# Altium PCB STM32.PcbDoc (part 2 of 2)
Units mil, origin at the board's own origin, x right, y up, seen from the top; angles counter-clockwise.
Board outline 4960.63 x 3937.01 mil, 2 copper layers (Top Layer, Bottom Layer); 105 components, 116 nets, 528 pads, 83 vias.
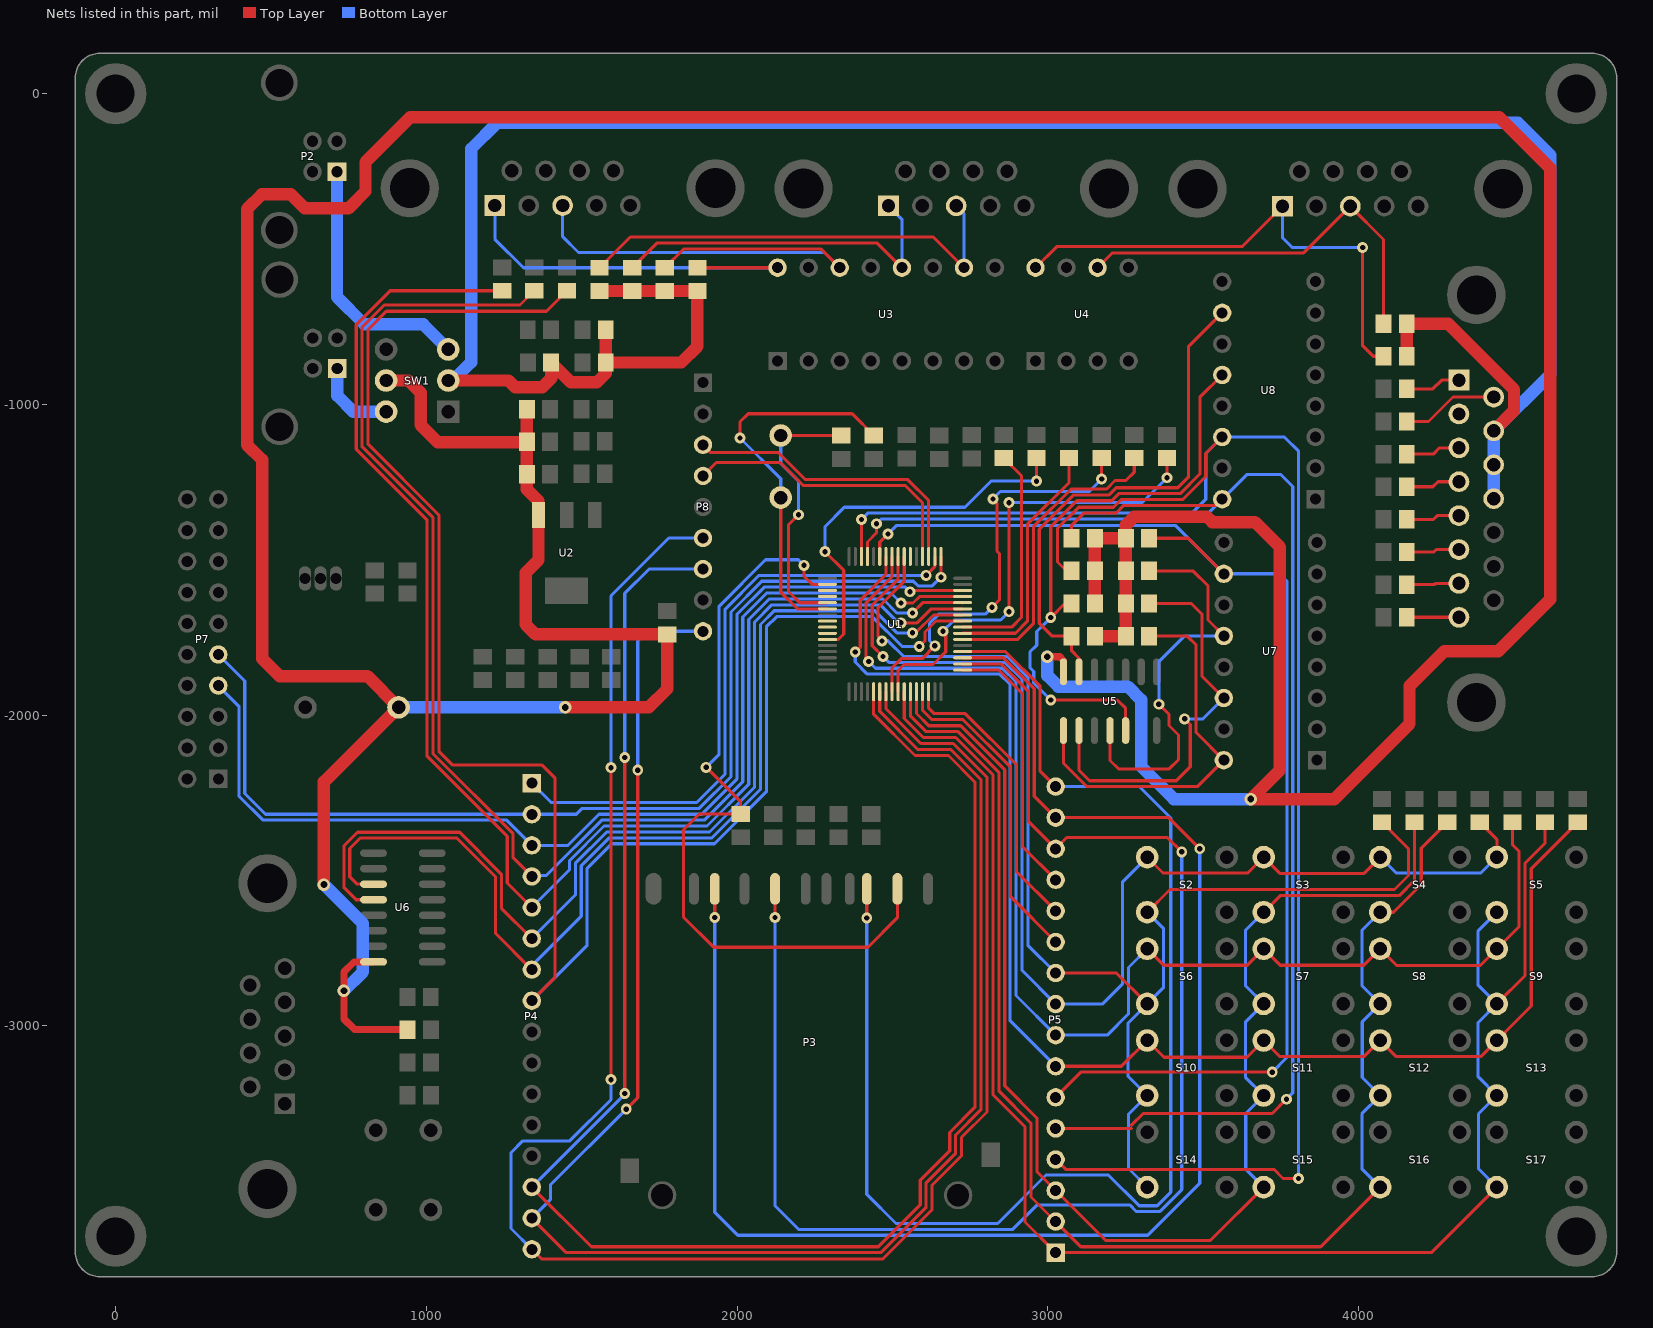
[diagram p2: the nets of this part, all layers, seen from the top]

## Via types
v1: diameter 35, hole 17, Top Layer to Bottom Layer, 52 vias
v2: diameter 40, hole 22, Top Layer to Bottom Layer, 31 vias

## Nets (pads, with @x,y where several pads share a name; then routed paths per layer and width w, separated by ;. In a path a pad name is that pad's centre, name@x,y a point inside that pad or via, vN(x,y) a via of type N, cw(c..) or ccw(c..) an arc to the next point about the centre after c; other vN are vias at no path point) (continued)
PA5: P4.14 P8.7 U1.21 | length 5627.2
  Top Layer w10: P4.14@1339.26,-3519.08 1531.26,-3711.08 2454.26,-3711.08 2589.26,-3576.08 2589.26,-3497.08 2684.26,-3402.08 2684.26,-3343.34 2765.26,-3262.34 2765.26,-2215.08 2680.26,-2130.08 2572.26,-2130.08 2439.37,-1997.18 U1.21@2439.37,-1924.6 ; v1(1638.26,-3218.08) v1(1638.26,-2136.58)
  Bottom Layer w10: P4.14@1339.26,-3519.08 1638.26,-3220.08 v1(1638.26,-3218.08) ; v1(1638.26,-2136.58) 1638.26,-1608.08 1716.26,-1530.08 P8.7@1890.26,-1530.08
PA6: P4.15 P8.9 U1.22 | length 5526.7
  Top Layer w10: P4.15@1339.26,-3619.08 1450.26,-3730.08 2462.26,-3730.08 2608.26,-3584.08 2608.26,-3505.08 2703.26,-3410.08 2703.26,-3351.21 2784.26,-3270.21 2784.26,-2207.08 2688.26,-2111.08 2582.26,-2111.08 2459.05,-1987.87 U1.22@2459.05,-1924.6 ; v1(1643.26,-3268.08) 1680.26,-3231.08 v1(1680.26,-2177.08)
  Bottom Layer w10: P4.15@1339.26,-3619.08 1399.04,-3559.3 1399.04,-3512.3 v1(1643.26,-3268.08) ; v1(1680.26,-2177.08) 1680.26,-1761.08 1711.26,-1730.08 P8.9@1890.26,-1730.08
PA7: P4.16 P8.6 U1.23 | length 6028.5
  Top Layer w10: P4.16@1339.26,-3719.08 1370.18,-3750 2469.34,-3750 2627.26,-3592.08 2627.26,-3513.08 2722.26,-3418.08 2722.26,-3359.08 2804.26,-3277.08 2804.26,-2200.08 2695.26,-2091.08 2591.26,-2091.08 2478.74,-1978.55 U1.23@2478.74,-1924.6 ; v1(1594.08,-3173.08) v1(1594.08,-2169)
  Bottom Layer w10: P4.16@1339.26,-3719.08 1272.26,-3652.08 1272.26,-3408.08 1310.26,-3370.08 1461.39,-3370.08 1594.08,-3237.39 v1(1594.08,-3173.08) ; v1(1594.08,-2169) 1594.08,-1616.26 1780.26,-1430.08 P8.6@1890.26,-1430.08
PA8: P4.8 R5.1 U1.41 | length 5744.4
  Top Layer w10: P4.8@1339.26,-2919.08 1413.26,-2845.08 1413.26,-2202.08 1372.26,-2161.08 1085.26,-2161.08 1039.93,-2115.75 1039.93,-1355.75 812.26,-1128.08 812.26,-759.08 871.26,-700.08 1386.26,-700.08 R5.1@1452.26,-634.08 ; v1(2586.26,-1779.08) 2604.73,-1760.61 2604.73,-1732.61 2640.11,-1697.24 U1.41@2725.78,-1697.24
  Bottom Layer w10: P4.8@1339.26,-2919.08 1517.26,-2741.08 1517.26,-2493.08 1596.26,-2414.08 1927.26,-2414.08 2094.26,-2247.08 2094.26,-1716.08 2127.26,-1683.08 2435.26,-1683.08 2531.26,-1779.08 v1(2586.26,-1779.08)
PA9: P4.7 U1.42 U6.11 | length 3387.6
  Top Layer w10: U6.11@829.78,-2544.08 777.26,-2544.08 753.26,-2520.08 753.26,-2429.08 786.26,-2396.08 1098.26,-2396.08 1222.26,-2520.08 1222.26,-2702.08 P4.7@1339.26,-2819.08 ; v1(2564.26,-1735.08) 2574.26,-1735.08 2631.79,-1677.55 U1.42@2725.78,-1677.55
  Bottom Layer w10: P4.7@1332.26,-2813.08 1498.26,-2647.08 1498.26,-2485.08 1588.26,-2395.08 1919.26,-2395.08 2075.26,-2239.08 2075.26,-1708.08 2119.26,-1664.08 2443.26,-1664.08 2514.26,-1735.08 v1(2564.26,-1735.08)
PA10: P4.6 U1.43 U6.12 | length 3319.2
  Top Layer w10: U6.12@829.78,-2594.08 774.26,-2594.08 734.26,-2554.08 734.26,-2421.08 778.26,-2377.08 1106.76,-2377.08 1241.26,-2511.58 1241.26,-2621.08 P4.6@1339.26,-2719.08 ; v1(2527.26,-1703.08) 2579.26,-1703.08 2624.48,-1657.87 U1.43@2725.78,-1657.87
  Bottom Layer w10: P4.6@1339.26,-2719.08 1479.26,-2579.08 1479.26,-2476.89 1580.08,-2376.08 1911.26,-2376.08 2056.26,-2231.08 2056.26,-1700.08 2111.26,-1645.08 2460.26,-1645.08 2518.26,-1703.08 v1(2527.26,-1703.08)
PA11: P4.5 R2.1 U1.44 | length 4783.6
  Top Layer w10: R2.1@1244.26,-634.08 883.26,-634.08 774.26,-743.08 774.26,-1144.08 1001.26,-1371.08 1001.26,-2131.26 1260.26,-2390.26 1260.26,-2540.08 P4.5@1339.26,-2619.08 ; v1(2564.26,-1671.08) 2597.26,-1638.08 2725.68,-1638.08 U1.44@2725.78,-1638.18
  Bottom Layer w10: P4.5@1339.26,-2619.08 1460.26,-2498.08 1460.26,-2468.58 1571.76,-2357.08 1903.01,-2357.08 2037.26,-2222.83 2037.26,-1692.08 2103.26,-1626.08 2469.26,-1626.08 2514.26,-1671.08 v1(2564.26,-1671.08)
PA12: P4.4 R3.1 U1.45 | length 4692.3
  Top Layer w10: P4.4@1339.26,-2519.08 1279.26,-2459.08 1279.26,-2382.08 1020.76,-2123.58 1020.76,-1363.58 793.26,-1136.08 793.26,-751.08 864.26,-680.08 1301.26,-680.08 R3.1@1347.26,-634.08 ; v1(2527.26,-1639.08) 2566.26,-1639.08 2587.26,-1618.08 2725.37,-1618.08 U1.45@2725.78,-1618.5
  Bottom Layer w10: P4.4@1339.26,-2516.21 1385.63,-2516.21 1563.76,-2338.08 1894.26,-2338.08 2018.26,-2214.08 2018.26,-1684.08 2095.26,-1607.08 2495.26,-1607.08 v1(2527.26,-1639.08)
PA13: P4.3 P7.7 U1.46 | length 3440.4
  Top Layer w10: v1(2556.26,-1603.08) 2560.53,-1598.81 U1.46@2725.78,-1598.81
  Bottom Layer w10: P7.7@330.26,-1905.08 396.26,-1971.08 396.26,-2260.08 474.33,-2338.14 1258.33,-2338.14 P4.3@1339.26,-2419.08 1455.65,-2419.08 1555.65,-2319.08 1886.26,-2319.08 1999.26,-2206.08 1999.26,-1676.08 2087.26,-1588.08 2541.26,-1588.08 v1(2556.26,-1603.08)
PA14: P4.2 P7.9 U1.49 | length 3456.4
  Top Layer w10: v1(2655.9,-1556.44) U1.49@2655.9,-1489.56
  Bottom Layer w10: P7.9@330.26,-1805.08 415.26,-1890.08 415.26,-2252.08 482.26,-2319.08 1482.26,-2319.08 1501.26,-2300.08 1878.26,-2300.08 1980.26,-2198.08 1980.26,-1667.89 2079.08,-1569.08 2567.26,-1569.08 2582.26,-1584.08 2628.26,-1584.08 v1(2655.9,-1556.44)
PA15: P4.1 U1.50 | length 1980.3
  Top Layer w10: v1(2608.26,-1550.08) 2636.22,-1522.13 U1.50@2636.22,-1489.56
  Bottom Layer w10: P4.1@1339.26,-2219.08 1401.26,-2281.08 1869.7,-2281.08 1961.26,-2189.52 1961.26,-1659.08 2070.26,-1550.08 v1(2608.26,-1550.08)
PB0: P5.1 R38.2 S5.2 S9.2 S13.2 S17.2 U1.26 | length 5257.2
  Top Layer w10: U1.26@2537.79,-1924.6 2537.79,-2010.61 2599.26,-2072.08 2703.26,-2072.08 2823.26,-2192.08 2823.26,-3222.19 2926.26,-3325.19 2926.26,-3631.08 P5.1@3025.26,-3730.08 4233.98,-3730.08 S17.2@4444.8,-3519.25 ; S9.2@4444.8,-2929.25 4535.8,-2838.25 4535.8,-2476.68 4600.26,-2412.22 R38.2@4600.26,-2344.88
  Bottom Layer w10: S17.2@4444.8,-3519.25 4385.8,-3460.25 4385.8,-3283.25 S13.2@4444.8,-3224.25 4384.8,-3164.25 4384.8,-2989.25 S9.2@4444.8,-2929.25 4384.8,-2869.25 4384.8,-2694.25 S5.2@4444.8,-2634.25
PB1: P5.2 R36.2 S4.2 S8.2 S12.2 S16.2 U1.27 | length 4551.6
  Top Layer w10: U1.27@2557.48,-1924.6 2557.48,-2002.29 2608.26,-2053.08 2711.26,-2053.08 2842.26,-2184.08 2842.26,-3209.26 2946,-3313 2946,-3550.82 3106.26,-3711.08 3877.98,-3711.08 S16.2@4069.8,-3519.25 ; S4.2@4069.8,-2634.25 4112.64,-2634.25 4201.8,-2545.09 4201.8,-2428.34 R36.2@4285.26,-2344.88
  Bottom Layer w10: S16.2@4069.8,-3519.25 4010.8,-3460.25 4010.8,-3283.25 S12.2@4069.8,-3224.25 4011.8,-3166.25 4011.8,-2987.25 S8.2@4069.8,-2929.25 4010.8,-2870.25 4010.8,-2693.25 S4.2@4069.8,-2634.25
PB2: P5.3 R34.2 S3.2 S7.2 S11.2 S15.2 U1.28 | length 4404.3
  Top Layer w10: U1.28@2577.16,-1924.6 2577.16,-1994.98 2616.26,-2034.08 2719.26,-2034.08 2861.26,-2176.08 2861.26,-3193.26 2965,-3297 2965,-3469.82 3186.26,-3691.08 3522.98,-3691.08 S15.2@3694.8,-3519.25 ; S3.2@3694.8,-2634.25 3747.97,-2581.09 4130.8,-2581.09 4180.26,-2531.63 R34.2@4180.26,-2344.88
  Bottom Layer w10: S15.2@3694.8,-3519.25 3636.8,-3461.25 3636.8,-3282.25 S11.2@3694.8,-3224.25 3635.8,-3165.25 3635.8,-2988.25 S7.2@3694.8,-2929.25 3635.8,-2870.25 3635.8,-2693.25 S3.2@3694.8,-2634.25
PB3: P5.10 R32.2 S2.2 S6.2 S10.2 S14.2 U1.55 | length 4279.8
  Top Layer w10: v1@2467.26,-1760.08 2453.77,-1746.58 2453.77,-1653.58 2537.79,-1569.55 U1.55@2537.79,-1489.56 ; P5.10@3025.26,-2830.08 3220.63,-2830.08 S6.2@3319.8,-2929.25 ; S2.2@3319.8,-2634.25 3392.97,-2561.09 4115.7,-2561.09 4160.8,-2515.98 4160.8,-2430.42 R32.2@4075.26,-2344.88
  Bottom Layer w10: v1@2467.26,-1760.08 2485.26,-1760.08 2536.26,-1811.08 2869.26,-1811.08 2935.76,-1877.58 2935.76,-2740.58 P5.10@3025.26,-2830.08 ; S14.2@3319.8,-3519.25 3259.8,-3459.25 3259.8,-3284.25 S10.2@3319.8,-3224.25 3257.8,-3162.25 3257.8,-2991.25 3372.8,-2876.25 3372.8,-2687.25 S2.2@3319.8,-2634.25
  other v1: 2466.26,-1761.08
PB4: P5.9 R37.2 S2.1 S3.1 S4.1 S5.1 U1.56 | length 4018.3
  Top Layer w10: v1(2469.26,-1811.08) 2434.76,-1776.58 2434.76,-1645.58 2518.11,-1562.24 U1.56@2518.11,-1489.56 ; S2.1@3319.8,-2457.09 3370.8,-2508.09 3643.8,-2508.09 S3.1@3694.8,-2457.09 3746.8,-2509.09 4017.8,-2509.09 S4.1@4069.8,-2457.09 ; R37.2@4390.26,-2344.88 4445.26,-2399.88 S5.1@4445.26,-2467.08
  Bottom Layer w10: v1(2469.26,-1811.08) 2488.26,-1830.08 2861.26,-1830.08 2916.76,-1885.58 2916.76,-2821.58 P5.9@3025.26,-2930.08 3174.81,-2930.08 3240.8,-2864.09 3240.8,-2536.09 S2.1@3319.8,-2457.09 ; S4.1@4069.8,-2457.09 4120.8,-2508.09 4393.8,-2508.09 S5.1@4444.8,-2457.09
PB5: P5.8 R35.2 S6.1 S7.1 S8.1 S9.1 U1.57 | length 4267.1
  Top Layer w10: v1(2423.26,-1827.08) 2415.26,-1819.08 2415.26,-1638.08 2498.42,-1554.92 U1.57@2498.42,-1489.56 ; S6.1@3319.8,-2752.09 3372.8,-2805.09 3641.8,-2805.09 S7.1@3694.8,-2752.09 3747.8,-2805.09 4016.8,-2805.09 S8.1@4069.8,-2752.09 4123.8,-2806.09 4390.8,-2806.09 4516.8,-2680.09 4516.8,-2439.09 4495.26,-2417.55 R35.2@4495.26,-2344.88
  Bottom Layer w10: v1(2423.26,-1827.08) 2445.26,-1849.08 2853.26,-1849.08 2897.76,-1893.58 2897.76,-2902.58 P5.8@3025.26,-3030.08 3190.81,-3030.08 3259.8,-2961.09 3259.8,-2812.09 S6.1@3319.8,-2752.09
PB6: P5.7 R33.2 S10.1 S11.1 S12.1 S13.1 U1.58 | length 4592.1
  Top Layer w10: v1(2380.26,-1797.08) 2396.26,-1781.08 2396.26,-1630.08 2478.74,-1547.61 U1.58@2478.74,-1489.56 ; P5.7@3025.26,-3130.08 3236.81,-3130.08 S10.1@3319.8,-3047.09 3373.8,-3101.09 3640.8,-3101.09 S11.1@3694.8,-3047.09 3745.8,-3098.09 4018.8,-3098.09 S12.1@4069.8,-3047.09 4121.8,-3099.09 4392.8,-3099.09 4555.8,-2936.09 4555.8,-2494.34 R33.2@4705.26,-2344.88
  Bottom Layer w10: v1(2380.26,-1797.08) 2380.26,-1829.08 2419.26,-1868.08 2845.26,-1868.08 2878.76,-1901.58 2878.76,-2983.58 P5.7@3025.26,-3130.08
PB7: P5.6 R26.2 U1.59 U7.10 | length 4071.7
  Top Layer w10: U1.59@2459.05,-1489.56 2459.05,-1443.29 v1(2485.26,-1417.08) ; P5.6@3025.26,-3230.08 3106.26,-3149.08 v1(3722.26,-3149.08) ; R26.2@3326.07,-1430.65 3451.83,-1430.65 U7.10@3566.26,-1545.08
  Bottom Layer w10: v1(2485.26,-1417.08) 2513.26,-1389.08 3410.26,-1389.08 U7.10@3566.26,-1545.08 3746.26,-1545.08 3769.26,-1568.08 3769.26,-3102.08 v1(3722.26,-3149.08)
PB8: P5.5 R27.2 U1.61 U8.16 | length 4858.1
  Top Layer w10: U1.61@2419.68,-1489.56 2419.68,-1442.66 2448.26,-1414.08 v1(2448.26,-1384.08) ; P5.5@3025.26,-3330.08 3269.26,-3330.08 ; R27.2@3076.46,-1430.65 3076.46,-1388.88 3115.26,-1350.08 3219.26,-1350.08 3244.26,-1325.08 3541.26,-1325.08 U8.16@3561.26,-1305.08 ; 3268.8,-3320.09 3306.8,-3282.09 3721.8,-3282.09 v1(3767.8,-3236.09)
  Bottom Layer w10: v1(2448.26,-1384.08) 2463.26,-1369.08 3497.26,-1369.08 3640.26,-1226.08 3750.26,-1226.08 3788.26,-1264.08 3788.26,-3215.63 v1(3767.8,-3236.09)
PB9: P5.4 R28.2 U1.62 U8.14 | length 5748.4
  Top Layer w10: U1.62@2400,-1489.56 v1@2400,-1370.08 ; P5.4@3025.26,-3430.08 3057.27,-3462.09 3727.8,-3462.09 3756.8,-3491.09 v1(3806.8,-3491.09) ; R28.2@3076.46,-1535.65 3059.83,-1535.65 3031.26,-1507.08 3031.26,-1399.08 3099.26,-1331.08 3211.26,-1331.08 3236.26,-1306.08 3434.26,-1306.08 3508.26,-1232.08 3508.26,-1158.08 U8.14@3561.26,-1105.08
  Bottom Layer w10: v1(2400.26,-1370.08) 2420.26,-1350.08 3463.26,-1350.08 3508.26,-1305.08 3508.26,-1158.08 U8.14@3561.26,-1105.08 3761.26,-1105.08 3807.26,-1151.08 v1@3807.26,-3491.09
PB10: P5.11 U1.29 | length 1041.5
  Top Layer w10: U1.29@2596.85,-1924.6 2596.85,-1984.66 2626.26,-2014.08 2726.26,-2014.08 2880.26,-2168.08 2880.26,-2585.08 P5.11@3025.26,-2730.08
PB11: P5.12 U1.30 | length 933.4
  Top Layer w10: U1.30@2616.53,-1924.6 2616.53,-1977.35 2634.26,-1995.08 2734.26,-1995.08 2899.26,-2160.08 2899.26,-2504.08 P5.12@3025.26,-2630.08
PB12: P5.13 U1.33 | length 867.4
  Top Layer w10: U1.33@2725.78,-1854.72 2841.9,-1854.72 2918.26,-1931.08 2918.26,-2423.08 P5.13@3025.26,-2530.08
PB13: P3.7 P5.14 U1.34 | length 4757.6
  Top Layer w10: v1(2122.14,-2651.08) P3.7@2122.14,-2559.08 ; U1.34@2725.78,-1835.03 2849.22,-1835.03 2937.26,-1923.08 2937.26,-2342.08 P5.14@3025.26,-2430.08 3061.26,-2394.08 3384.8,-2394.08 v1(3430.8,-2440.09)
  Bottom Layer w10: v1@2122.14,-2642.95 2122.14,-3579.45 2197.76,-3655.08 2887.26,-3655.08 2966.26,-3576.08 3263.26,-3576.08 3285.27,-3598.09 3359.8,-3598.09 3430.8,-3527.09 v1(3430.8,-2440.09)
PB14: P3.9 P5.15 U1.35 | length 4998.5
  Top Layer w10: v1(1928.04,-2651.08) P3.9@1928.04,-2559.08 ; U1.35@2725.78,-1815.35 2856.53,-1815.35 2956.26,-1915.08 2956.26,-2261.08 P5.15@3025.26,-2330.08 3388.8,-2330.08 v1(3488.8,-2430.09)
  Bottom Layer w10: v1(1928.04,-2651.08) 1928.04,-3599.86 2002.26,-3674.08 3321.26,-3674.08 3488.8,-3506.54 v1(3488.8,-2430.09)
PB15: P3.3 P5.16 U1.36 | length 4391.1
  Top Layer w10: v1(2417.26,-2653.08) P3.3@2417.41,-2559.08 ; U1.36@2725.78,-1795.66 2863.85,-1795.66 2975.26,-1907.08 2975.26,-2180.08 P5.16@3025.26,-2230.08
  Bottom Layer w10: v1@2417.26,-2641.93 2417.26,-3542.11 2511.23,-3636.08 2838.26,-3636.08 2994.26,-3480.08 3194.7,-3480.08 3293.71,-3579.09 3351.8,-3579.09 3395.71,-3535.18 3395.71,-2331.02 3294.76,-2230.08 P5.16@3025.26,-2230.08
PC0: U1.8
PC1: U1.9
PC2: U1.10
PC3: R14.2 U1.11 | length 1245.4
  Top Layer w10: v1(2283.01,-1473.83) 2343.26,-1534.08 2343.26,-1739.08 2326.05,-1756.29 U1.11@2290.74,-1756.29 ; v1(2963.26,-1247.08) R14.2@2963.26,-1172.88
  Bottom Layer w10: v1(2283.01,-1473.83) 2283.01,-1393.33 2345.26,-1331.08 2733.26,-1331.08 2817.26,-1247.08 v1(2963.26,-1247.08)
PC4: R20.2 U1.24 | length 1356.5
  Top Layer w10: U1.24@2498.42,-1924 2498.42,-1847.92 2528.26,-1818.08 2595.26,-1818.08 v1(2636.26,-1777.08) ; v1(2820.26,-1653.08) 2844.26,-1629.08 2844.26,-1480.08 2836.26,-1472.08 2836.26,-1317.08 v1(2823.26,-1304.08) ; v1(3173.26,-1240.08) R20.2@3173.26,-1172.88
  Bottom Layer w10: v1(2636.26,-1777.08) 2619.26,-1760.08 2619.26,-1704.55 2648.74,-1675.08 2798.26,-1675.08 v1(2820.26,-1653.08) ; v1(2823.26,-1304.08) 2847.26,-1280.08 3133.26,-1280.08 v1(3173.26,-1240.08)
PC5: R22.2 U1.25 | length 1510.6
  Top Layer w10: U1.25@2518.11,-1924.6 2518.11,-1856.24 2537.26,-1837.08 2630.26,-1837.08 2671.26,-1796.08 2671.26,-1739.08 v1(2662.26,-1730.08) ; v1(2875.26,-1667.08) v1(2875.26,-1316.08) ; v1(3383.26,-1236.08) R22.2@3383.26,-1172.88
  Bottom Layer w10: v1(2662.26,-1730.08) 2698.26,-1694.08 2848.26,-1694.08 v1(2875.26,-1667.08) ; v1(2875.26,-1316.08) 3303.26,-1316.08 v1(3383.26,-1236.08)
PC7: R21.2 U1.38 | length 1003.4
  Top Layer w10: U1.38@2725.78,-1756.29 2903.05,-1756.29 2953.26,-1706.08 2953.26,-1394.08 3075.26,-1272.08 3189.26,-1272.08 3216.26,-1245.08 3251.26,-1245.08 3278.26,-1218.08 R21.2@3278.26,-1172.88
PC8: R18.2 U1.39 | length 805.2
  Top Layer w10: U1.39@2725.78,-1736.61 2895.87,-1736.61 2934.26,-1698.21 2934.26,-1386.08 3068.26,-1252.08 R18.2@3068.26,-1172.88
PC9: R13.2 U1.40 | length 738.5
  Top Layer w10: U1.40@2725.78,-1716.92 2883.42,-1716.92 2915.26,-1685.08 2915.26,-1229.88 R13.2@2858.26,-1172.88
PC10: P8.3 U1.51 | length 980.7
  Top Layer w10: P8.3@1890.26,-1130.08 1915.26,-1155.08 2133.26,-1155.08 2220.26,-1242.08 2549.26,-1242.08 2616.53,-1309.35 U1.51@2616.53,-1489.56
PC11: P8.4 U1.52 | length 951
  Top Layer w10: P8.4@1890.26,-1230.08 1933.26,-1187.08 2138.26,-1187.08 2212.26,-1261.08 2541.26,-1261.08 2596.85,-1316.66 U1.52@2596.85,-1489.56
PC13: P3.2 R12.1 U1.2 | length 2543.3
  Top Layer w10: v1(1900.26,-2168.08) 2011.26,-2279.08 R12.1@2011.26,-2318.08 1878.26,-2318.08 1827.26,-2369.08 1827.26,-2650.02 1924.32,-2747.08 2421.26,-2747.08 2515.84,-2652.5 P3.2@2515.84,-2559.08 ; v1(2215.26,-1518.08) 2215.26,-1553.08 2241.31,-1579.13 U1.2@2290.74,-1579.13
  Bottom Layer w10: v1(1900.26,-2168.08) 1942.26,-2126.08 1942.26,-1649.08 2091.26,-1500.08 2197.26,-1500.08 v1(2215.26,-1518.08)
PC14: U1.3
PC15: U1.4
PD0: C7.2 U1.5 Y1.1 | length 874.1
  Top Layer w10: Y1.1@2140.46,-1100.28 C7.2@2335.26,-1100.28 ; v1(2197.26,-1355.08) 2165.26,-1387.08 2165.26,-1602.08 2201.37,-1638.18 U1.5@2290.74,-1638.18
  Top Layer w40: Y1.1@2140.26,-1100.08 Y1.1@2140.46,-1100.28
  Bottom Layer w10: Y1.1@2140.46,-1100.28 2140.46,-1189.28 2197.26,-1246.08 v1(2197.26,-1355.08)
PD1: C10.2 U1.6 Y1.2 | length 1245.9
  Top Layer w10: v1(2009.26,-1108.08) 2009.26,-1056.08 2035.26,-1030.08 2370.07,-1030.08 C10.2@2440.26,-1100.28 ; Y1.2@2140.26,-1300.08 2140.26,-1604.08 2194.05,-1657.87 U1.6@2290.74,-1657.87
  Bottom Layer w10: v1(2009.26,-1108.08) 2140.26,-1239.08 Y1.2@2140.26,-1300.08
PD2: U1.54
USB1: pad.1@713.11,-884.3 SW1.6 | length 266
  Bottom Layer w40: pad.1@713.11,-884.3 713.11,-971.93 764.26,-1023.08 SW1.6@870.26,-1023.08
USB2: P2.1 SW1.3 | length 831
  Bottom Layer w40: P2.1@712.11,-251.3 712.11,-654.2 800,-742.08 989.26,-742.08 SW1.3@1070.26,-823.08
VCC: 
VCC1: B1.1 C3.2 C4.2 C12.2 R1.1 R23.1 R24.1 R25.1 R26.1 R27.1 R28.1 R29.1 R30.1 R47.1 SW1.5 U2.3 U5.14 U6.16 | length 16823.1
  Top Layer w23: U6.16@829.78,-2794.08 767.26,-2794.08 734.26,-2827.08 734.26,-2977.08 769.26,-3012.08 C12.2@939.46,-3012.08 ; v2(2998.26,-1812.08) 3038.26,-1812.08 3050.26,-1824.08 U5.14@3050.26,-1860.59
  Top Layer w40: v2(670.26,-2545.58) 670.26,-2215.08 B1.1@910.26,-1975.08 809.76,-1874.58 527.58,-1874.58 471,-1818 471,-1178 423,-1130 423,-371 470,-324 563.68,-324 608.68,-369 749,-369 804,-314 804,-220 948.42,-75.58 4452.58,-75.58 4617.26,-240.26 4617.26,-1626.74 4450,-1794 4276,-1794 4164,-1906 4164,-2028 3921.92,-2270.08 v2(3653.26,-2270.08) 3746.76,-2176.58 3746.76,-1459.58 3666.26,-1379.08 3529.26,-1379.08 3511.26,-1361.08 3278.26,-1361.08 3251.26,-1388.08 R23.1@3251.26,-1745.65 R30.1@3151.26,-1745.65 ; SW1.5@870.26,-923.08 942.26,-923.08 981.26,-962.08 981.26,-1066.08 1036.26,-1121.08 C4.2@1323.46,-1121.08 ; R1.1@1323.46,-1015.28 1323.46,-1273.28 1360.71,-1310.53 1360.71,-1500.72 1319.26,-1542.17 1319.26,-1708.08 1351.26,-1740.08 R47.1@1775.26,-1740.08 1775.26,-1915.08 1715.26,-1975.08 v2(1447,-1975.08) ; R29.1@3151.26,-1640.65 R27.1@3151.26,-1430.65 R26.1@3251.26,-1430.65
  Bottom Layer w40: v2(670.26,-2545.58) 795.26,-2670.58 795.26,-2826.08 v2(734.26,-2887.08) ; B1.1@910.26,-1975.08 v2(1447,-1975.08) ; v2(2998.26,-1812.08) 2998.26,-1872.65 3033.7,-1908.08 3257.7,-1908.08 3300.26,-1950.65 3300.26,-2164.58 3405.76,-2270.08 v2(3653.26,-2270.08)
VCC2: C1.2 C2.2 pad.10@4435.07,-1085.28 pad.11@4435.07,-1194.33 pad.12 R4.1 R6.1 R7.1 R8.1 R9.1 R10.1 R11.1 SW1.2 | length 7761.5
  Top Layer w40: SW1.2@1070.26,-923.08 1264.26,-923.08 1285.26,-944.08 1373.26,-944.08 1401.26,-916.08 R4.1@1401.26,-865.08 1465.26,-929.08 1548.26,-929.08 1577.07,-900.28 C2.2@1577.07,-760.08 ; C1.2@1577.07,-865.08 1820.26,-865.08 1872.26,-813.08 R6.1@1872.26,-634.88 R9.1@1577.07,-634.88 ; R10.1@4155.26,-845.08 R11.1@4155.26,-740.08 4288.26,-740.08 4500.26,-952.08 4500.26,-1020.09 pad.10@4435.07,-1085.28
  Bottom Layer w40: SW1.2@1070.26,-923.08 1085.26,-923.08 1144.26,-864.08 1144.26,-177.08 1227.26,-94.08 4513.26,-94.08 4617.26,-198.08 4617.26,-903.09 pad.10@4435.07,-1085.28 pad.12@4435.07,-1303.39
X0: pad.5@4323.26,-1357.91 R43.2 | length 173
  Top Layer w10: R43.2@4155.26,-1370.08 4241.26,-1370.08 4253.43,-1357.91 pad.5@4323.26,-1357.91
X+: pad.9@4435.07,-976.22 R46.2 | length 312.7
  Top Layer w10: R46.2@4155.07,-1055.08 4225.26,-1055.08 4304.12,-976.22 pad.9@4435.07,-976.22
X-: pad.7@4323.26,-1576.02 R39.2 | length 169.7
  Top Layer w10: R39.2@4155.26,-1580.08 4244.26,-1580.08 4248.32,-1576.02 pad.7@4323.26,-1576.02
X_+: R29.2 U5.5 U8.12 | length 1920.8
  Top Layer w10: v1(3009.26,-1951.08) 3222.96,-1951.08 3250.26,-1978.38 U5.5@3250.26,-2049.57 ; R29.2@3076.46,-1640.65 3054.7,-1640.65 v1(3009.26,-1686.08) 3009.26,-1394.08 3093.26,-1310.08 3205.26,-1310.08 3228.26,-1287.08 3426.26,-1287.08 3489.26,-1224.08 3489.26,-977.08 U8.12@3561.26,-905.08
  Bottom Layer w10: v1(3009.26,-1951.08) 2954.76,-1896.58 2954.76,-1859.58 2942.76,-1847.58 2942.76,-1796.33 2964.26,-1774.83 2964.26,-1731.08 v1(3009.26,-1686.08)
X_-: R24.2 U5.2 U7.14 | length 1316.9
  Top Layer w10: U5.2@3100.26,-2049.57 3100.26,-2177.08 3134.26,-2211.08 3413.26,-2211.08 3458.26,-2166.08 3458.26,-2030.08 v1(3440.26,-2012.08) ; R24.2@3326.07,-1640.65 3461.83,-1640.65 3496.26,-1675.08 3496.26,-1875.08 U7.14@3566.26,-1945.08
  Bottom Layer w10: v1(3440.26,-2012.08) 3499.26,-2012.08 U7.14@3566.26,-1945.08
X_DIR: pad.3@1438.33,-359.98 R7.2 U3.14 | length 1646.2
  Top Layer w10: R7.2@1767.26,-560.08 1827.26,-500.08 2270.26,-500.08 U3.14@2330.26,-560.08
  Bottom Layer w10: pad.3@1438.33,-359.98 1438.33,-460.15 1489.26,-511.08 2281.26,-511.08 U3.14@2330.26,-560.08
X_PUL: pad.1@1220.22,-359.98 R6.2 U3.16 | length 1314.2
  Top Layer w10: R6.2@1872.26,-560.08 U3.16@2130.26,-560.08
  Bottom Layer w10: pad.1@1220.22,-359.98 1220.22,-468.04 1312.26,-560.08 U3.16@2130.26,-560.08
Y0: pad.4@4323.26,-1248.86 R44.2 | length 174.7
  Top Layer w10: R44.2@4155.26,-1265.08 4239.26,-1265.08 4255.48,-1248.86 pad.4@4323.26,-1248.86
Y+: pad.8@4323.26,-1685.08 R31.2 | length 168
  Top Layer w10: R31.2@4155.26,-1685.08 pad.8@4323.26,-1685.08
Y-: pad.6@4323.26,-1466.97 R42.2 | length 171.4
  Top Layer w10: R42.2@4155.26,-1475.08 4242.26,-1475.08 4250.37,-1466.97 pad.6@4323.26,-1466.97
Y_+: R23.2 U5.1 U7.16 | length 1258.3
  Top Layer w10: U5.1@3050.26,-2049.57 3050.26,-2154.48 3125.86,-2230.08 3481.26,-2230.08 U7.16@3566.26,-2145.08 3477.26,-2056.08 3477.26,-1774.08 3448.83,-1745.65 R23.2@3326.07,-1745.65
Y_-: R25.2 U5.4 U7.12 | length 1315.6
  Top Layer w10: U5.4@3200.26,-2049.57 3200.26,-2146.08 3227.26,-2173.08 3390.26,-2173.08 3420.26,-2143.08 3420.26,-2064.08 3389.73,-2033.55 3389.73,-1997.55 v1(3357.26,-1965.08) ; R25.2@3326.07,-1535.65 3466.83,-1535.65 3515.26,-1584.08 3515.26,-1694.08 U7.12@3566.26,-1745.08
  Bottom Layer w10: v1(3357.26,-1965.08) 3357.26,-1828.65 3440.83,-1745.08 U7.12@3566.26,-1745.08
Y_DIR: pad.3@2705.19,-360.98 R9.2 U3.10 | length 1464.5
  Top Layer w10: R9.2@1557.26,-560.08 1656.26,-461.08 2631.26,-461.08 U3.10@2730.26,-560.08
  Bottom Layer w10: pad.3@2705.19,-360.98 2730.26,-386.06 U3.10@2730.26,-560.08
Y_PUL: pad.1@2487.08,-360.98 R8.2 U3.12 | length 1150.4
  Top Layer w10: R8.2@1662.26,-560.08 1741.26,-481.08 2451.26,-481.08 U3.12@2530.26,-560.08
  Bottom Layer w10: pad.1@2487.08,-360.98 2530.26,-404.17 U3.12@2530.26,-560.08
Z0: pad.2@4323.26,-1030.75
Z+: pad.3@4323.26,-1139.8 R45.2 | length 176.4
  Top Layer w10: R45.2@4155.26,-1160.08 4240.26,-1160.08 4260.54,-1139.8 pad.3@4323.26,-1139.8
Z-: pad.1@4323.26,-921.69 R48.2 | length 180
  Top Layer w10: R48.2@4155.07,-950.08 4239.26,-950.08 4267.65,-921.69 pad.1@4323.26,-921.69
Z_-: R30.2 U5.13 U8.10 | length 1672
  Top Layer w10: U5.13@3100.26,-1860.59 3100.26,-1817.08 3076.46,-1793.28 R30.2@3076.46,-1745.65 3013.83,-1745.65 2972.26,-1704.08 2972.26,-1402.08 3083.26,-1291.08 3197.26,-1291.08 3220.26,-1268.08 3418.26,-1268.08 3453.26,-1233.08 3453.26,-813.08 U8.10@3561.26,-705.08
Z_DIR: pad.3@3973.33,-361.98 R11.2 U4.6 | length 1317.6
  Top Layer w10: U4.6@3160.26,-560.08 3208.26,-512.08 3823.24,-512.08 pad.3@3973.33,-361.98 4080.46,-469.11 R11.2@4080.46,-740.08
Z_PUL: pad.1@3755.22,-361.98 R10.2 U4.8 | length 1647.2
  Top Layer w10: U4.8@2960.26,-560.08 3028.26,-492.08 3625.13,-492.08 pad.1@3755.22,-361.98 ; v1(4013.26,-495.08) 4013.26,-811.08 4047.26,-845.08 R10.2@4080.46,-845.08
  Bottom Layer w10: pad.1@3755.22,-361.98 3755.22,-464.04 3786.26,-495.08 v1(4013.26,-495.08)
pads on no net: P2.2 P2.3 P3.4 P3.11 P3.14 P3.15 P7.3 P7.5 P7.11 P7.13 P7.17 P7.19 S1.3 S1.4 S2.3 S2.4 S3.3 S3.4 S4.3 S4.4 S5.3 S5.4 S6.3 S6.4 S7.3 S7.4 S8.3 S8.4 S9.3 S9.4 S10.3 S10.4 S11.3 S11.4 S12.3 S12.4 S13.3 S13.4 S14.3 S14.4 S15.3 S15.4 S16.3 S16.4 S17.3 S17.4 SW1.1 SW1.4 U1.1 U1.60 U6.7 U6.8 U6.9 U6.10

## Polygon pours and split planes (outlines as drawn)
GND1 on Top Layer "Top Layer-No Net" (solid, remove dead copper, pour order 1000): 4752.66,103.75 cw(c4752.66,50.01) 4806.4,50.01 4806.4,-3729.52 cw(c4752.66,-3729.52) 4752.66,-3783.26 -50.49,-3783.26 cw(c-50.49,-3729.52) -104.23,-3729.52 -104.23,50.01 cw(c-50.49,50.01) -50.49,103.75
GND1 on Bottom Layer "Top Layer-No Net" (solid, remove dead copper, pour order 1001): -51.18,104.92 4751.97,104.92 cw(c4751.97,51.18) 4805.71,51.18 4805.71,-3728.35 cw(c4751.97,-3728.35) 4751.97,-3782.09 -51.18,-3782.09 cw(c-51.18,-3728.35) -104.92,-3728.35 -104.92,51.18 cw(c-51.18,51.18) -51.18,104.92

## Silkscreen, mask and mechanical layers (free items; w line width, h text height)
Top Overlay:
  circle w10: c1272,-760 r5
  circle w10: c1629,-1016 r5
  lines w7.87: 232.36,-3639.31 232.36,-2426.71 ; 232.36,-3308.6 602.44,-3308.6 ; 232.36,-2757.42 602.44,-2757.42 ; 458.26,-1072.09 116.26,-1072.09 116.26,-598.08 458.26,-598.08 ; 598.28,-1072.09 758,-1072.09 758,-598.08 598.26,-598.08 ; 832.04,-48.17 2044.63,-48.17 ; 1162.74,-418.25 1162.74,-48.17 ; 1713.93,-418.25 1713.93,-48.17 ; 2098.89,-49.17 3311.49,-49.17 ; 2429.6,-419.25 2429.6,-49.17 ; 2980.78,-419.25 2980.78,-49.17 ; 3367.04,-50.17 4579.63,-50.17 ; 3697.74,-420.25 3697.74,-50.17 ; 4248.93,-420.25 4248.93,-50.17 ; 4261.06,-1741.97 4635.08,-1741.97 ; 4261.06,-864.8 4635.08,-864.8 ; 4635.08,-2090.79 4635.08,-515.98 ; 114.25,-3639.31 114.25,-2426.71 602.44,-2426.71 602.44,-3639.31 114.25,-3639.31 ; 832.04,-418.25 832.04,69.94 2044.63,69.94 2044.63,-418.25 832.04,-418.25 ; 2098.89,-419.25 2098.89,68.94 3311.49,68.94 3311.49,-419.25 2098.89,-419.25 ; 3367.04,-420.25 3367.04,67.94 4579.63,67.94 4579.63,-420.25 3367.04,-420.25 ; 4261.06,-2090.79 4753.19,-2090.79 4753.19,-515.98 4261.06,-515.98 4261.06,-2090.79
  text "6" at 1256.33,-194.06 h39.37
  text "9" at 1594.33,-195.06 h39.37
  text "6" at 2528.19,-202.06 h39.37
  text "9" at 2857.19,-202.06 h39.37
  text "6" at 3798.33,-203.06 h39.37
  text "9" at 4126.33,-203.06 h39.37
  text "1" at 1216.33,-310.06 h39.37
  text "5" at 1647.33,-312.06 h39.37
  text "5" at 2913.19,-314.06 h39.37
  text "1" at 2479.19,-315.06 h39.37
  text "1" at 3749.33,-315.06 h39.37
  text "5" at 4181.33,-315.06 h39.37
  text "Z_Port" at 3366.26,-473.08 h39.37
  text "X_Port" at 833.26,-474.08 h39.37
  text "Y_Port" at 2104.26,-476.08 h39.37
  text "1" at 4381.19,-895.39 h39.37 r270
  text "9" at 4557.32,-956.54 h39.37 r270
  text "USB1" at 630.26,-1128.08 h39.37
  text "15" at 4557.32,-1586.26 h39.37 r270
  text "8" at 4371.19,-1680.39 h39.37 r270
  text "石 鹏" at 70.97,-1721.09 h196.85 r90
  text "XWKG_Port" at 4243.26,-2081.08 h39.37 r90
  text "PA15" at 1403.26,-2240.08 h39.37
  text "PB15" at 3087.26,-2253.08 h39.37
  text "PA14" at 1402.26,-2339.08 h39.37
  text "PB14" at 3087.26,-2353.08 h39.37
  text "PA13" at 1403.26,-2439.58 h39.37
  text "PB13" at 3086.26,-2454.08 h39.37
  text "CUG" at 78.97,-2486.09 h157.48 r90
  text "PA12" at 1404.26,-2541.58 h39.37
  text "PB12" at 3087.26,-2555.08 h39.37
  text "PA11" at 1404.26,-2641.08 h39.37
  text "PB11" at 3087.26,-2654.08 h39.37
  text "PA10" at 1404.11,-2741.23 h39.37
  text "PB10" at 3086.26,-2754.08 h39.37
  text "5" at 499.25,-2809.01 h39.37 r90
  text "PA9" at 1404.26,-2841.08 h39.37
  text "PB3" at 3086.26,-2853.08 h39.37
  text "9" at 379.25,-2880.01 h39.37 r90
  text "PA8" at 1404.26,-2943.08 h39.37
  text "PB4" at 3086.26,-2952.08 h39.37
  text "PA0" at 1404.26,-3044.08 h39.37
  text "PB5" at 3086.26,-3052.08 h39.37
  text "PA1" at 1404.26,-3144.08 h39.37
  text "PB6" at 3086.26,-3154.08 h39.37
  text "6" at 382.25,-3205.01 h39.37 r90
  text "PA2" at 1404.26,-3243.58 h39.37
  text "PB7" at 3086.26,-3254.08 h39.37
  text "1" at 489.25,-3288.01 h39.37 r90
  text "PA3" at 1403.76,-3340.58 h39.37
  text "PB8" at 3086.26,-3357.08 h39.37
  text "PA4" at 1403.26,-3441.08 h39.37
  text "PB9" at 3086.26,-3455.08 h39.37
  text "PA5" at 1403.26,-3539.08 h39.37
  text "PB2" at 3087.26,-3557.08 h39.37
  text "PA6" at 1403.26,-3643.08 h39.37
  text "PB1" at 3086.26,-3657.08 h39.37
  text "RS232" at 415.26,-3696.08 h39.37
  text "PA7" at 1403.26,-3741.58 h39.37
  text "PB0" at 3085.26,-3756.08 h39.37
Mechanical 1:
  the board outline again, w10

## Text inside footprints (layer, text, board x,y; h text height)
P3: Top Overlay "SD" at 2168.2,-3643.65 h60
P7: Top Overlay "20" at 250.26,-1245.08 h50 r90; Top Overlay "19" at 349.26,-1234.08 h50 r90; Top Overlay "1" at 350.26,-2305.08 h50 r90; Top Overlay "2" at 250.26,-2305.08 h50 r90
Q1: Top Overlay "1" at 703.26,-1490.08 h39.37; Top Overlay "3" at 598.26,-1490.08 h39.37